# Altium PCB ioboard.PcbDoc
Units mm, origin at the board's own origin, x right, y up, seen from the top; angles counter-clockwise.
Board outline 65 x 30 mm, 4 copper layers (Top Layer, Layer 1, Layer 2, Bottom Layer), stack 1.606 mm thick; 102 components, 81 nets, 437 pads, 171 vias.
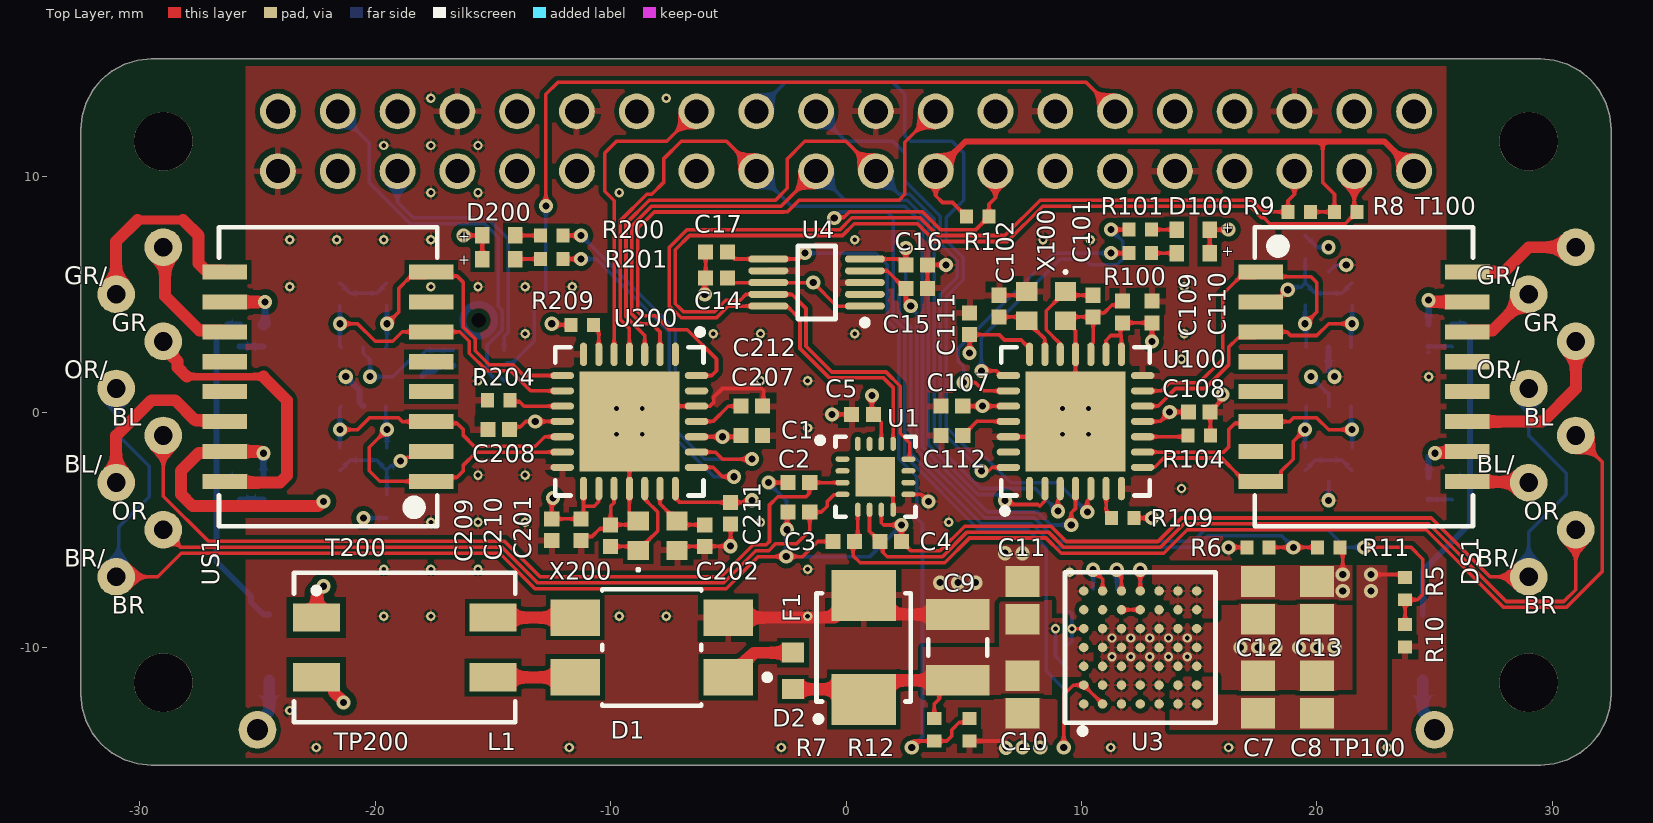
[diagram p0: Top Layer view]
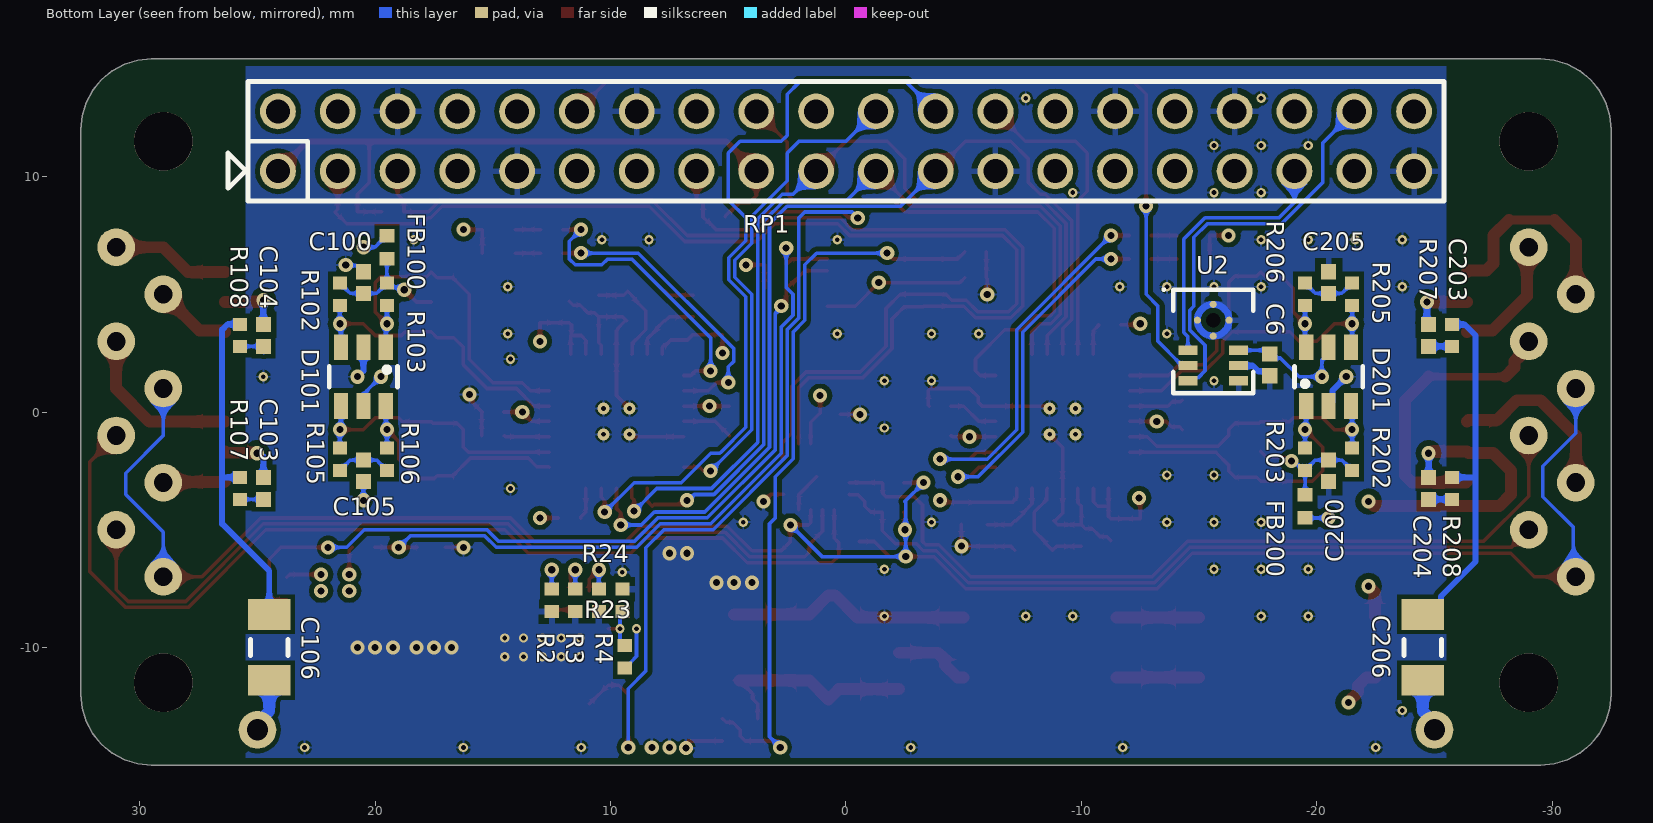
[diagram p1: Bottom Layer view, seen from below]
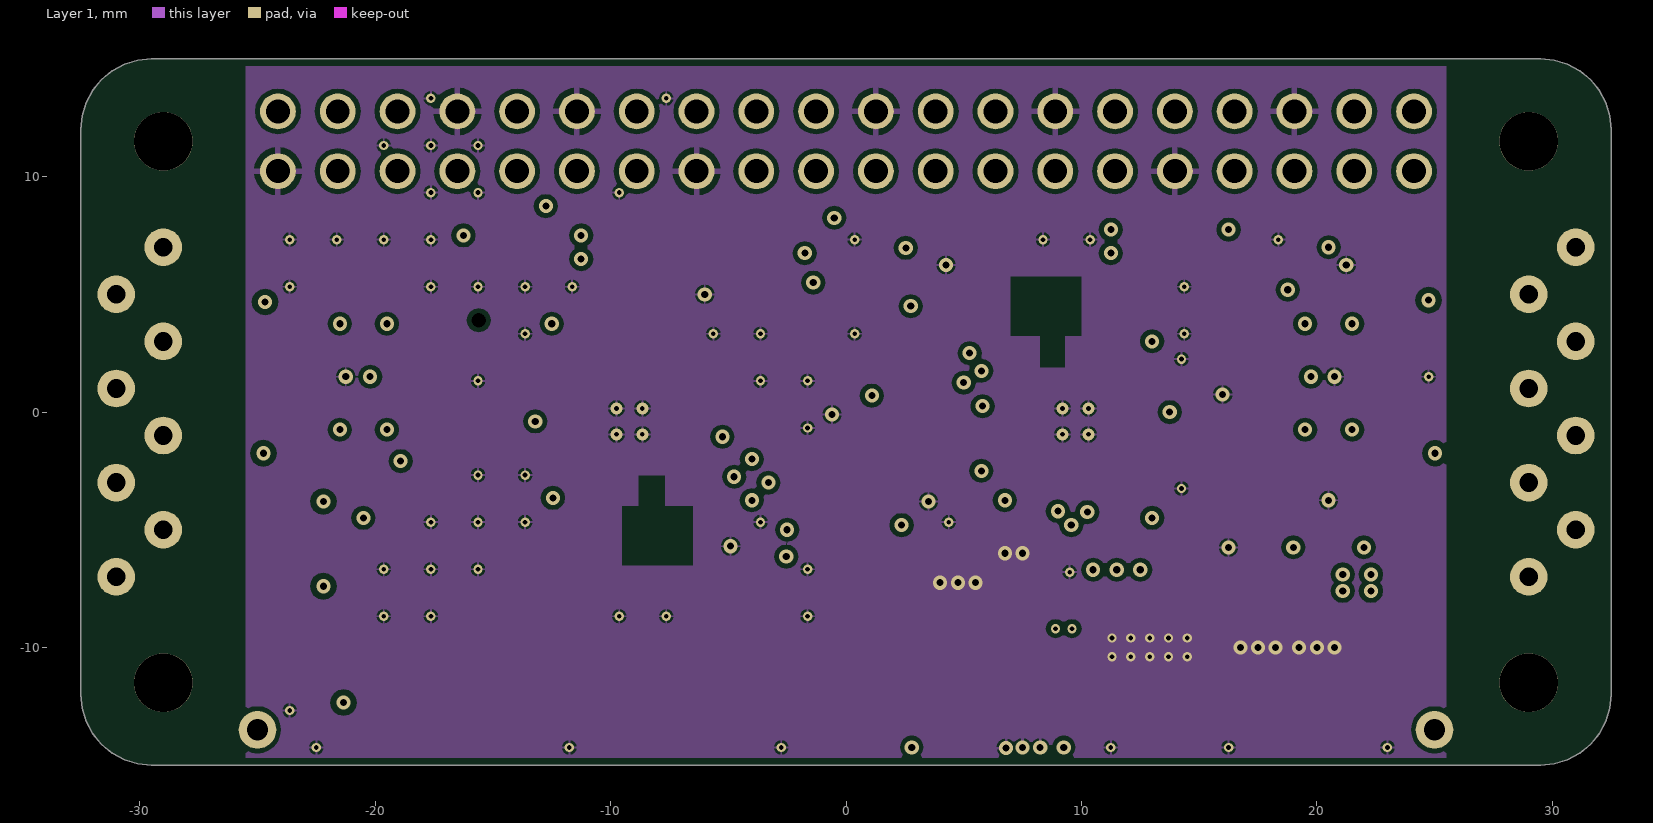
[diagram p2: Layer 1]
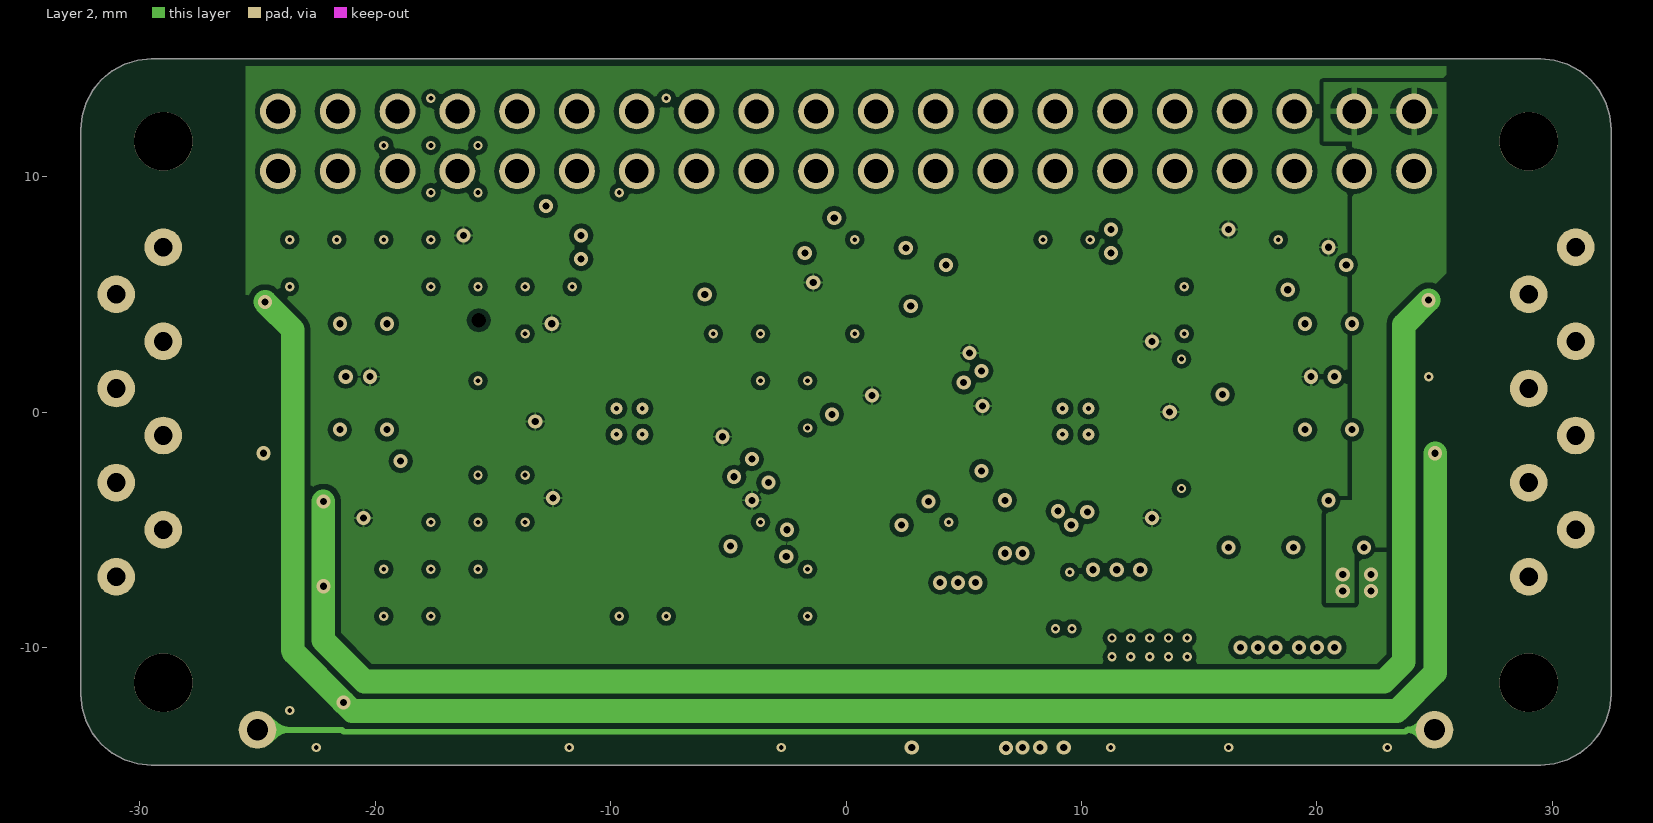
[diagram p3: Layer 2]
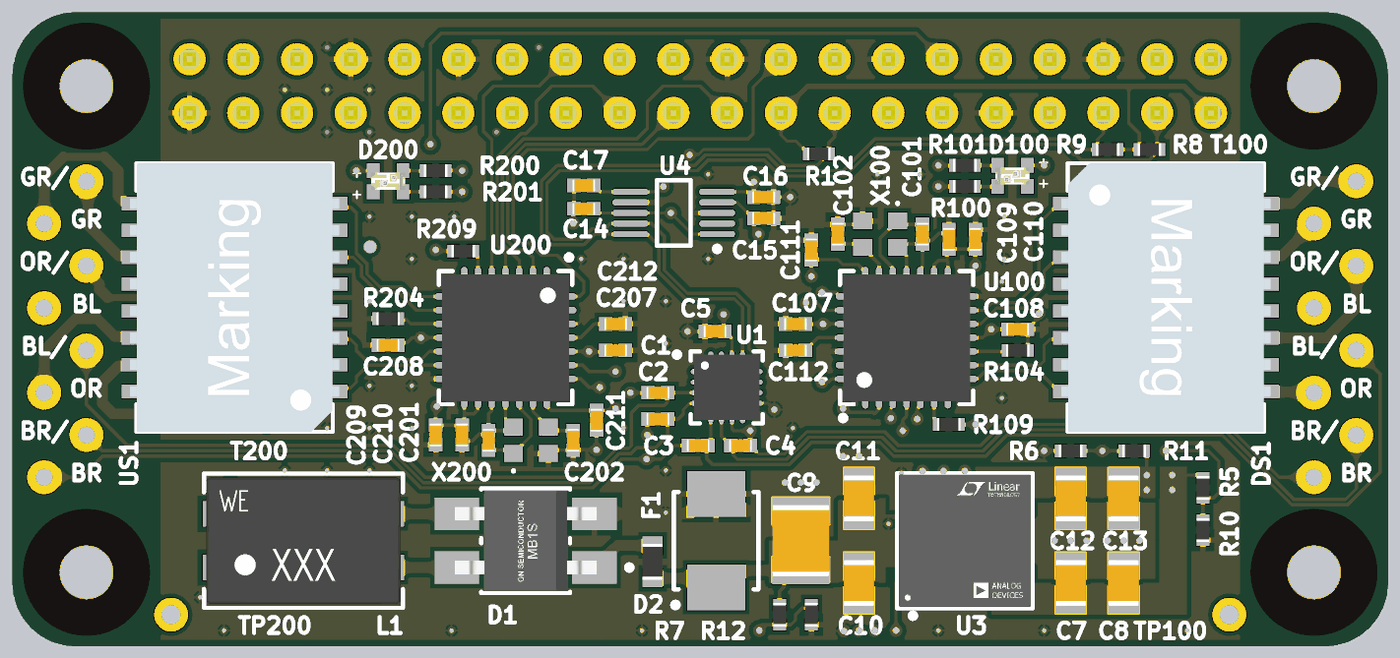
[diagram p4: 3D render of the assembled board from above, using the file's embedded part models]
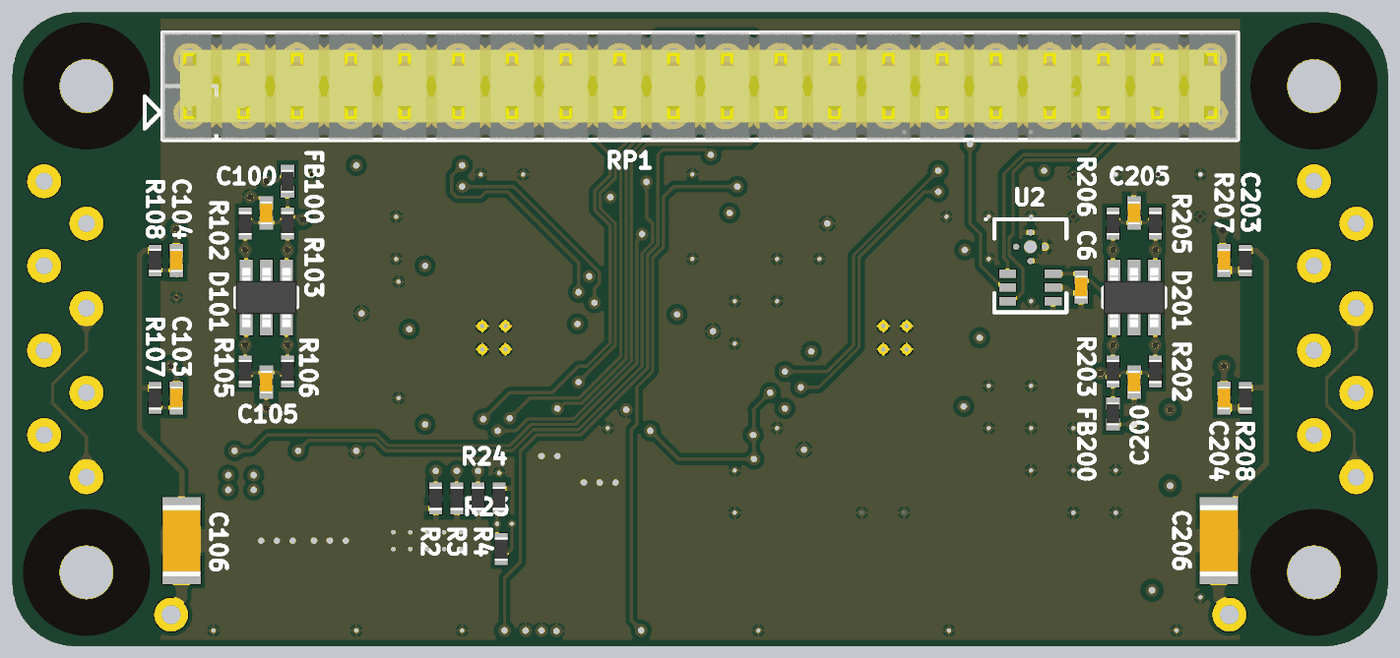
[diagram p5: 3D render of the assembled board from below, using the file's embedded part models]

## Layer stack, top to bottom
Top Solder: solder mask 0.025, Solder Resist, Dk 3.6
Top Layer: signal copper 0.043
Dielectric 2: prepreg 0.1248, PP-006, Dk 3.9
Layer 1: signal copper 0.035
Dielectric 1: dielectric 1.2, FR-4, Dk 4.4
Layer 2: signal copper 0.035
Dielectric 3: prepreg 0.1248, PP-006, Dk 3.9
Bottom Layer: signal copper 0.043
Bottom Solder: solder mask 0.025, Solder Resist, Dk 3.6

## Board outline
29.5,-15 30.085,-14.942 30.648,-14.772 31.167,-14.494 31.621,-14.121 31.994,-13.667 32.272,-13.148 32.442,-12.585 32.5,-12 32.5,12 32.442,12.585 32.272,13.148 31.994,13.667 31.621,14.121 31.167,14.494 30.648,14.772 30.085,14.942 29.5,15 -29.5,15 -30.085,14.942 -30.648,14.772 -31.167,14.494 -31.621,14.121 -31.994,13.667 -32.272,13.148 -32.442,12.585 -32.5,12 -32.5,-12 -32.442,-12.585 -32.272,-13.148 -31.994,-13.667 -31.621,-14.121 -31.167,-14.494 -30.648,-14.772 -30.085,-14.942 -29.5,-15

## Design rules (kind name [scope] priority, off if disabled: settings)
BoardOutlineClearance [not (OnBottomSilkscreen or OnTopSilkscreen)] p1: gap=0.3 ignorepadtopadclearanceinfootprint=FALSE
Clearance Clearance_poe [InNetClass('POE')] p1: gap=0.254 ignorepadtopadclearanceinfootprint=FALSE
Clearance Clearance_plane [All vs InPolygon] p2: gap=0.2 ignorepadtopadclearanceinfootprint=FALSE
Clearance [All] p3: gap=0.1 ignorepadtopadclearanceinfootprint=FALSE
Height Height_bottom [OnBottomLayer] p1: minheight=0 maxheight=1.36 prefheight=1
Height [All] p2: minheight=0 maxheight=25.4 prefheight=12.7
HoleSize [All] p1: absolutevalues=TRUE maxlimit=3 minlimit=0.2 maxpercent=80.000 minpercent=20.000
MinimumSolderMaskSliver [All] p1: minsoldermaskwidth=0
PolygonConnect PolygonConnect_U3 [InComponent('U3')] p1: thpad.connectstyle=Relief thpad.reliefconductorwidth=0.254 thpad.reliefentries=4 thpad.polygonreliefangle="90 Angle" thpad.airgapwidth=0.254 smdpad.connectstyle=Relief smdpad.reliefconductorwidth=0.1 smdpad.reliefentries=4 smdpad.polygonreliefangle="90 Angle" smdpad.airgapwidth=0.1 via.connectstyle=Relief via.reliefconductorwidth=0.254 via.reliefentries=4 via.polygonreliefangle="90 Angle" via.airgapwidth=0.254
PolygonConnect PolygonConnect_via [IsVia] p2: thpad.connectstyle=Relief thpad.reliefconductorwidth=0.254 thpad.reliefentries=4 thpad.polygonreliefangle="90 Angle" thpad.airgapwidth=0.254 smdpad.connectstyle=Relief smdpad.reliefconductorwidth=0.254 smdpad.reliefentries=4 smdpad.polygonreliefangle="90 Angle" smdpad.airgapwidth=0.254 via.connectstyle=Relief via.reliefconductorwidth=0.1 via.reliefentries=4 via.polygonreliefangle="90 Angle" via.airgapwidth=0.1
PolygonConnect [All] p3: connectstyle=Relief reliefconductorwidth=0.254 reliefentries=4 polygonreliefangle="90 Angle" airgapwidth=0.254
RoomDefinition NODE [InComponentClass('NODE')] p1: confinementstyle=ConfineIn formatcopy=TRUE lockcomponents=FALSE outline -111.633,-82.677 -60.833,-82.677 -60.833,-57.277 -111.633,-57.277
RoomDefinition ETH_US [InComponentClass('ETH_US')] p2: confinementstyle=ConfineIn formatcopy=TRUE lockcomponents=FALSE outline -111.633,-82.677 -60.833,-82.677 -60.833,-57.277 -111.633,-57.277
RoomDefinition ETH_DS [InComponentClass('ETH_DS')] p3: confinementstyle=ConfineIn formatcopy=TRUE lockcomponents=FALSE outline -111.633,-82.677 -60.833,-82.677 -60.833,-57.277 -111.633,-57.277
RoutingVias [All] p1: holewidth=0.3 width=0.6 viastyle="Through Hole" minholewidth=0.2 minwidth=0.4 maxholewidth=0.5 maxwidth=1
SilkToSilkClearance [All] p1: silktosilkclearance=0.1
SilkToSolderMaskClearance [IsPad] p1: minsilkscreentomaskgap=0 clearancetoexposedcopper=TRUE
SolderMaskExpansion [All] p1: expansion=0.051 istentingtop=FALSE
Width [All] p1: maxlimit=1 minlimit=0.1 preferedwidth=0.152
25 further rules are at their usual default settings.

## Classes and differential pairs
net class POE: VPOE_1 VPOE_2
channel class ethernet: ETH_DS ETH_US
component class POWER: C7 C8 C9 C10 C11 C12 C13 C14 C15 C16 C17 D1 D2 F1 L1 R2 R3 R4 R5 R6 R7 R8 R9 R10 R11 R12 R23 R24 U3 U4
component class NODE: C1 C2 C3 C4 C5 C6 DS1 R1 RP1 U1 U2 US1
component class ETH_US: C200 C201 C202 C203 C204 C205 C206 C207 C208 C209 C210 C211 C212 D200 D201 FB200 R200 R201 R202 R203 R204 R205 R206 R207 R208 R209 T200 TP200 U200 X200
component class ETH_DS: C100 C101 C102 C103 C104 C105 C106 C107 C108 C109 C110 C111 C112 D100 D101 FB100 R100 R101 R102 R103 R104 R105 R106 R107 R108 R109 T100 TP100 U100 X100

## Components (designator, comment, footprint, x,y, rotation, side; value= is the part's Value field where it differs from the comment)
C1 "cap" CAPC1005X06N -2,-3 r0 top value=1n (schematic designator C14)
C2 "cap" CAPC1005X06N -2,-4.25 r0 top value=1n (schematic designator C15)
C3 "cap" CAPC1005X06N -0.1,-5.5 r0 top value=1n (schematic designator C16)
C4 "cap" CAPC1005X06N 1.9,-5.5 r180 top value=1n (schematic designator C17)
C5 "cap" CAPC1005X06N 0.7,-0.1 r0 top value=100n (schematic designator C18)
C6 "cap" CAPC1005X06N -18,2 r90 bottom value=100n (schematic designator C30)
C7 "cap" CAPC2012X11N 17.5,-12 r270 top value=100u (schematic designator C19)
C8 "cap" CAPC2012X11N 20,-12 r270 top value=22u (schematic designator C20)
C9 "cap" CAPC3225X14N 4.75,-10 r270 top value=47u (schematic designator C29)
C10 "cap" CAPC2012X11N 7.5,-12 r90 top value=4u7 (schematic designator C21)
C11 "cap" CAPC2012X11N 7.5,-8 r270 top value=4u7 (schematic designator C22)
C12 "cap" CAPC2012X11N 17.5,-8 r90 top value=100u (schematic designator C23)
C13 "cap" CAPC2012X11N 20,-8 r90 top value=22u (schematic designator C24)
C14 "cap" CAPC1005X06N -5.5,5.7 r0 top value=100n (schematic designator C25)
C15 "cap" CAPC1005X06N 3,5.25 r180 top value=100n (schematic designator C26)
C16 "cap" CAPC1005X06N 3,6.25 r180 top value=100n (schematic designator C27)
C17 "cap" CAPC1005X06N -5.5,6.8 r0 top value=100n (schematic designator C28)
C100 "cap" CAPC1005X06N 20.5,5.5 r270 bottom value=100n (schematic designator C1)
C101 "cap" CAPC1005X06N 10.5,4.5 r90 top value=10p (schematic designator C4)
C102 "cap" CAPC1005X06N 6.5,4.5 r270 top value=10p (schematic designator C5)
C103 "cap" CAPC1005X06N 24.75,-3.25 r90 bottom value=22n (schematic designator C2)
C104 "cap" CAPC1005X06N 24.75,3.25 r90 bottom value=22n (schematic designator C3)
C105 "cap" CAPC1005X06N 20.5,-2.5 r90 bottom value=100n (schematic designator C6)
C106 "cap" CAPC3216X14N 24.5,-10 r90 bottom value=1000p (schematic designator C7)
C107 "cap" CAPC1005X06N 4.5,0.25 r0 top value=100n (schematic designator C8)
C108 "cap" CAPC1005X06N 15,0 r180 top value=100n (schematic designator C9)
C109 "cap" CAPC1005X06N 11.75,4.25 r270 top value=100n (schematic designator C10)
C110 "cap" CAPC1005X06N 13,4.25 r270 top value=100n (schematic designator C11)
C111 "cap" CAPC1005X06N 5.25,3.75 r270 top value=100n (schematic designator C12)
C112 "cap" CAPC1005X06N 4.5,-1 r0 top value=100n (schematic designator C13)
C200 "cap" CAPC1005X06N -20.5,-2.5 r90 bottom value=100n (schematic designator C1)
C201 "cap" CAPC1005X06N -10,-5.25 r270 top value=10p (schematic designator C4)
C202 "cap" CAPC1005X06N -6,-5.25 r90 top value=10p (schematic designator C5)
C203 "cap" CAPC1005X06N -24.75,3.25 r90 bottom value=22n (schematic designator C2)
C204 "cap" CAPC1005X06N -24.75,-3.25 r90 bottom value=22n (schematic designator C3)
C205 "cap" CAPC1005X06N -20.5,5.5 r270 bottom value=100n (schematic designator C6)
C206 "cap" CAPC3216X14N -24.5,-10 r90 bottom value=1000p (schematic designator C7)
C207 "cap" CAPC1005X06N -4,-1 r180 top value=100n (schematic designator C8)
C208 "cap" CAPC1005X06N -14.75,-0.75 r0 top value=100n (schematic designator C9)
C209 "cap" CAPC1005X06N -12.5,-5 r90 top value=100n (schematic designator C10)
C210 "cap" CAPC1005X06N -11.25,-5 r90 top value=100n (schematic designator C11)
C211 "cap" CAPC1005X06N -4.9,-4.3 r90 top value=100n (schematic designator C12)
C212 "cap" CAPC1005X06N -4,0.25 r180 top value=100n (schematic designator C13)
D1 "MB1S" FP-751EP-MFG -8.25,-10 r180 top value=13pF (schematic designator D2)
D2 "1SMB24AT3G" ONSC-SMB-2-403A-03_H_V 0.75,-10 r90 top (schematic designator D3)
D100 "Red & Bright Green, 2V, 140deg" WL-SBCC_0603 14.75,7.25 r0 top (schematic designator D1)
D101 "5Vdc" WE-TVS_SOT23-6L 20.5,1.5 r0 bottom (schematic designator D4)
D200 "Red & Bright Green, 2V, 140deg" WL-SBCC_0603 -14.75,7 r180 top (schematic designator D1)
D201 "5Vdc" WE-TVS_SOT23-6L -20.5,1.5 r180 bottom (schematic designator D4)
DS1 "Node connection" node_connection 30,0 r0 top (schematic designator DS)
F1 "fuse" RESC1608X06N -2.25,-11 r270 top value=250mA
FB100 "ferrite" INDC1005X06N 19.5,7 r90 bottom value=100R (schematic designator FB1)
FB200 "ferrite" INDC1005X06N -19.5,-4 r270 bottom value=100R (schematic designator FB1)
L1 "744227S" WE-SL2 -18.75,-10 r0 top
R1 "res" RESC1005X04N 5.6,8.3 r180 top value=47K (schematic designator R11)
R2 "res" RESC1005X04N 12.5,-8 r270 bottom value=78K7 (schematic designator R12)
R3 "res" RESC1005X04N 11.5,-8 r270 bottom value=47K5 (schematic designator R13)
R4 "res" RESC1005X04N 10.5,-8 r90 bottom value=17K8 (schematic designator R14)
R5 "res" RESC1005X04N 23.75,-7.5 r90 top value=47K (schematic designator R15)
R6 "res" RESC1005X04N 20.5,-5.75 r0 top value=47K (schematic designator R16)
R7 "res" RESC1005X04N 3.75,-13.5 r90 top value=360K (schematic designator R17)
R8 "res" RESC1005X04N 21.225,8.5 r180 top value=47K (schematic designator R21)
R9 "res" RESC1005X04N 19.25,8.5 r0 top value=47K (schematic designator R22)
R10 "res" RESC1005X04N 23.75,-9.5 r90 top value=10K (schematic designator R18)
R11 "res" RESC1005X04N 17.5,-5.75 r0 top value=10K (schematic designator R19)
R12 "res" RESC1005X04N 5.25,-13.5 r90 top value=10K (schematic designator R20)
R23 "res" RESC1005X04N 9.4,-10.4 r270 bottom value=150K
R24 "res" RESC1005X04N 9.5,-8 r270 bottom value=10K
R100 "res" RESC1005X04N 12.5,6.75 r0 top value=10K (schematic designator R1)
R101 "res" RESC1005X04N 12.5,7.75 r0 top value=10K (schematic designator R2)
R102 "res" RESC1005X04N 21.5,5 r90 bottom value=49R9 (schematic designator R3)
R103 "res" RESC1005X04N 19.5,5 r90 bottom value=49R9 (schematic designator R4)
R104 "res" RESC1005X04N 15,-1 r180 top value=2K32 (schematic designator R5)
R105 "res" RESC1005X04N 21.5,-2 r90 bottom value=49R9 (schematic designator R6)
R106 "res" RESC1005X04N 19.5,-2 r90 bottom value=49R9 (schematic designator R7)
R107 "res" RESC1005X04N 25.75,-3.25 r270 bottom value=75R (schematic designator R8)
R108 "res" RESC1005X04N 25.75,3.25 r270 bottom value=75R (schematic designator R9)
R109 "res" RESC1005X04N 11.75,-4.5 r0 top value=10K (schematic designator R10)
R200 "res" RESC1005X04N -12.5,7.5 r180 top value=10K (schematic designator R1)
R201 "res" RESC1005X04N -12.5,6.5 r180 top value=10K (schematic designator R2)
R202 "res" RESC1005X04N -21.5,-2 r270 bottom value=49R9 (schematic designator R3)
R203 "res" RESC1005X04N -19.5,-2 r270 bottom value=49R9 (schematic designator R4)
R204 "res" RESC1005X04N -14.75,0.5 r0 top value=2K32 (schematic designator R5)
R205 "res" RESC1005X04N -21.5,5 r270 bottom value=49R9 (schematic designator R6)
R206 "res" RESC1005X04N -19.5,5 r270 bottom value=49R9 (schematic designator R7)
R207 "res" RESC1005X04N -25.75,3.25 r270 bottom value=75R (schematic designator R8)
R208 "res" RESC1005X04N -25.75,-3.25 r270 bottom value=75R (schematic designator R9)
R209 "res" RESC1005X04N -11.2,3.7 r180 top value=10K (schematic designator R10)
RP1 "Raspberry PI" raspi_male_con 0,11.5 r180 bottom locked
T100 "7490120110" 7490120110 22,1.5 r270 top locked (schematic designator T1)
T200 "7490120110" 7490120110 -22,1.5 r90 top locked (schematic designator T1)
TP100 "Ethernet shield" testpoint_tht_09mm 25,-13.5 r90 top (schematic designator TP1)
TP200 "Ethernet shield" testpoint_tht_09mm -25,-13.5 r90 top (schematic designator TP1)
U1 "TMP464" QFN50P300X300X100_HS-17N_TMP464 1.25,-2.75 r0 top (schematic designator U2)
U2 "ICS-43432" PSON65P300X110-6N -15.6,3 r180 bottom (schematic designator U5)
U3 "LTM8078IY#PBF" FP-BGA-49-05-08-1518-MFG 12.5,-10 r90 top
U4 "ADS1115IDGSR" TI-DGS10_N -1.25,5.5 r180 top
U100 "ENC28J60" QFN65P600X600X100_HS-29N-ENC28J60 9.75,-0.4 r90 top (schematic designator U1)
U200 "ENC28J60" QFN65P600X600X100_HS-29N-ENC28J60 -9.2,-0.4 r270 top (schematic designator U1)
US1 "Node connection" node_connection -30,0 r0 top (schematic designator US)
X100 "ABM10-25.000MHZ-D30-T3" ABRA-ABM10_V 8.5,4.5 r270 top (schematic designator X1)
X200 "ABM10-25.000MHZ-D30-T3" ABRA-ABM10_V -8,-5.25 r90 top (schematic designator X1)

## Footprints (in the part's own frame and the unit in brackets; to place one, negate y for a bottom-side part, rotate by r counter-clockwise, add the part's x,y. Pads: shape width x height; smd on the part's side, far side on the other; paste and mask are expansions set on the pad)
7490120110 [mm] "SMD LAN Transformers, body 12.45x9.02mm, 16-Leads"
  rect 0.64x1.9 smd: 1(-4.445,-4.385) 2(-3.175,-4.385) 3(-1.905,-4.385) 4(-0.635,-4.385) 5(0.635,-4.385) 6(1.905,-4.385) 7(3.175,-4.385) 8(4.445,-4.385) 9(4.445,4.385) 10(3.175,4.385) 11(1.905,4.385) 12(0.635,4.385) 13(-0.635,4.385) 14(-1.905,4.385) 15(-3.175,4.385) 16(-4.445,4.385)
  silkscreen extent -6.35,-4.63 6.35,4.63, body extent -6.35,-4.95 6.35,4.95, height 5.55
ABRA-ABM10_V [mm] "SMD, 4-Leads, Body 2x2.5mm, Pitch 1.65mm"
  rect 0.8x0.9 smd: 1(-0.625,0.825) 2(-0.625,-0.825) 3(0.625,-0.825) 4(0.625,0.825)
  silkscreen extent -1.51,0.76 -1.39,0.89, body extent -1,-1.25 1,1.25, height 0.7
CAPC1005X06N [mm] "Chip Capacitor, 2-Leads, Body 1.00x0.50mm, IPC Medium Density"
  rect 0.64x0.64 smd: 1(-0.46,0) 2(0.46,0)
  body extent -0.55,-0.3 0.55,0.3, height 0.6
CAPC2012X11N [mm] "Chip Capacitor, 2-Leads, Body 2.00x1.25mm, IPC Medium Density"
  rect 1.3x1.45 smd: 1(-0.8,0) 2(0.8,0)
  body extent -1.1,-0.72 1.1,0.72, height 1.1
CAPC3216X14N [mm] "Chip Capacitor, 2-Leads, Body 3.20x1.60mm, IPC Medium Density"
  rect 1.3x1.8 smd: 1(-1.4,0) 2(1.4,0)
  silkscreen extent -0.35,-0.8 0.35,0.8, body extent -1.7,-0.9 1.7,0.9, height 1.35
CAPC3225X14N [mm] "Chip Capacitor, 2-Leads, Body 3.20x2.50mm, IPC Medium Density"
  rect 1.3x2.7 smd: 1(-1.4,0) 2(1.4,0)
  silkscreen extent -0.35,-1.25 0.35,1.25, body extent -1.7,-1.35 1.7,1.35, height 1.35
FP-751EP-MFG [mm]
  rect 2.1x1.55 smd paste+0 mask+0: 1(-3.25,1.27) 2(-3.25,-1.27) 3(3.25,-1.27) 4(3.25,1.27)
  silkscreen extent -5.03,-2.47 2.1,2.47, body extent -4.4,-2.58 4.4,2.58, height 0.25
FP-BGA-49-05-08-1518-MFG [mm]
  round 0.4 smd paste+0 mask+0: A1(-2.4,2.4) A2(-1.6,2.4) A3(-0.8,2.4) A4(0,2.4) A5(0.8,2.4) A6(1.6,2.4) A7(2.4,2.4) B1(-2.4,1.6) B2(-1.6,1.6) B3(-0.8,1.6) B4(0,1.6) B5(0.8,1.6) B6(1.6,1.6) B7(2.4,1.6) C1(-2.4,0.8) C2(-1.6,0.8) C3(-0.8,0.8) C4(0,0.8) C5(0.8,0.8) C6(1.6,0.8) C7(2.4,0.8) D1(-2.4,0) D2(-1.6,0) D3(-0.8,0) D4(0,0) D5(0.8,0) D6(1.6,0) D7(2.4,0) E1(-2.4,-0.8) E2(-1.6,-0.8) E3(-0.8,-0.8) E4(0,-0.8) E5(0.8,-0.8) E6(1.6,-0.8) E7(2.4,-0.8) F1(-2.4,-1.6) F2(-1.6,-1.6) F3(-0.8,-1.6) F4(0,-1.6) F5(0.8,-1.6) F6(1.6,-1.6) F7(2.4,-1.6) G1(-2.4,-2.4) G2(-1.6,-2.4) G3(-0.8,-2.4) G4(0,-2.4) G5(0.8,-2.4) G6(1.6,-2.4) G7(2.4,-2.4)
  silkscreen extent -3.67,-3.2 3.2,3.2, body extent -3.7,-3.7 3.7,3.7, height 0.25
INDC1005X06N [mm] "Chip Inductor, 2-Leads, Body 1.00x0.50mm, IPC Medium Density"
  rect 0.58x0.64 smd: 1(-0.49,0) 2(0.49,0)
  body extent -0.55,-0.3 0.55,0.3, height 0.6
node_connection [mm]
  round 1.6 hole 0.8: 1(1,7) 2(-1,5) 3(1,3) 4(-1,1) 5(1,-1) 6(-1,-3) 7(1,-5) 8(-1,-7)
ONSC-SMB-2-403A-03_H_V [mm] "Molded, 2-Leads, Body 4.6x3.95mm"
  rect 2.159x2.743 smd: 1(-2.21,0) 2(2.21,0)
  silkscreen extent -3.16,-2 2.3,2.05, body extent -2.3,-1.97 2.3,1.97, height 2.42
PSON65P300X110-6N [mm] "PSON, 6-Leads, Body 4,00x3,00mm, Pitch 0,65mm, IPC Medium Density"
  rect 0.8x0.4 smd: 1(1.075,-1.675) 2(1.075,-1.025) 3(1.075,-0.375) 5(-1.075,-0.375) 6(-1.075,-1.025) 7(-1.075,-1.675)
  round 0.3 smd: 4(-0.675,0.9) 4(0,0.225) 4(0,1.575) 4(0.675,0.9)
  round 0 hole 0.6: PORT(0,0.9)
  Top Layer circle w0.3: c0,0.9 r0.675
  silkscreen extent -2.15,-2.2 1.7,2.25, body extent -1.55,-2.05 1.55,2.05, height 1.1